# Altium PCB PonyProgFT.PcbDoc
Units mm, origin at the board's own origin, x right, y up, seen from the top; angles counter-clockwise.
Board outline 49.5 x 49.5 mm, 4 copper layers (L1_Top, L2_GND, L3_Power, L4_Bottom), stack 1.543 mm thick; 88 components, 68 nets, 308 pads, 119 vias.
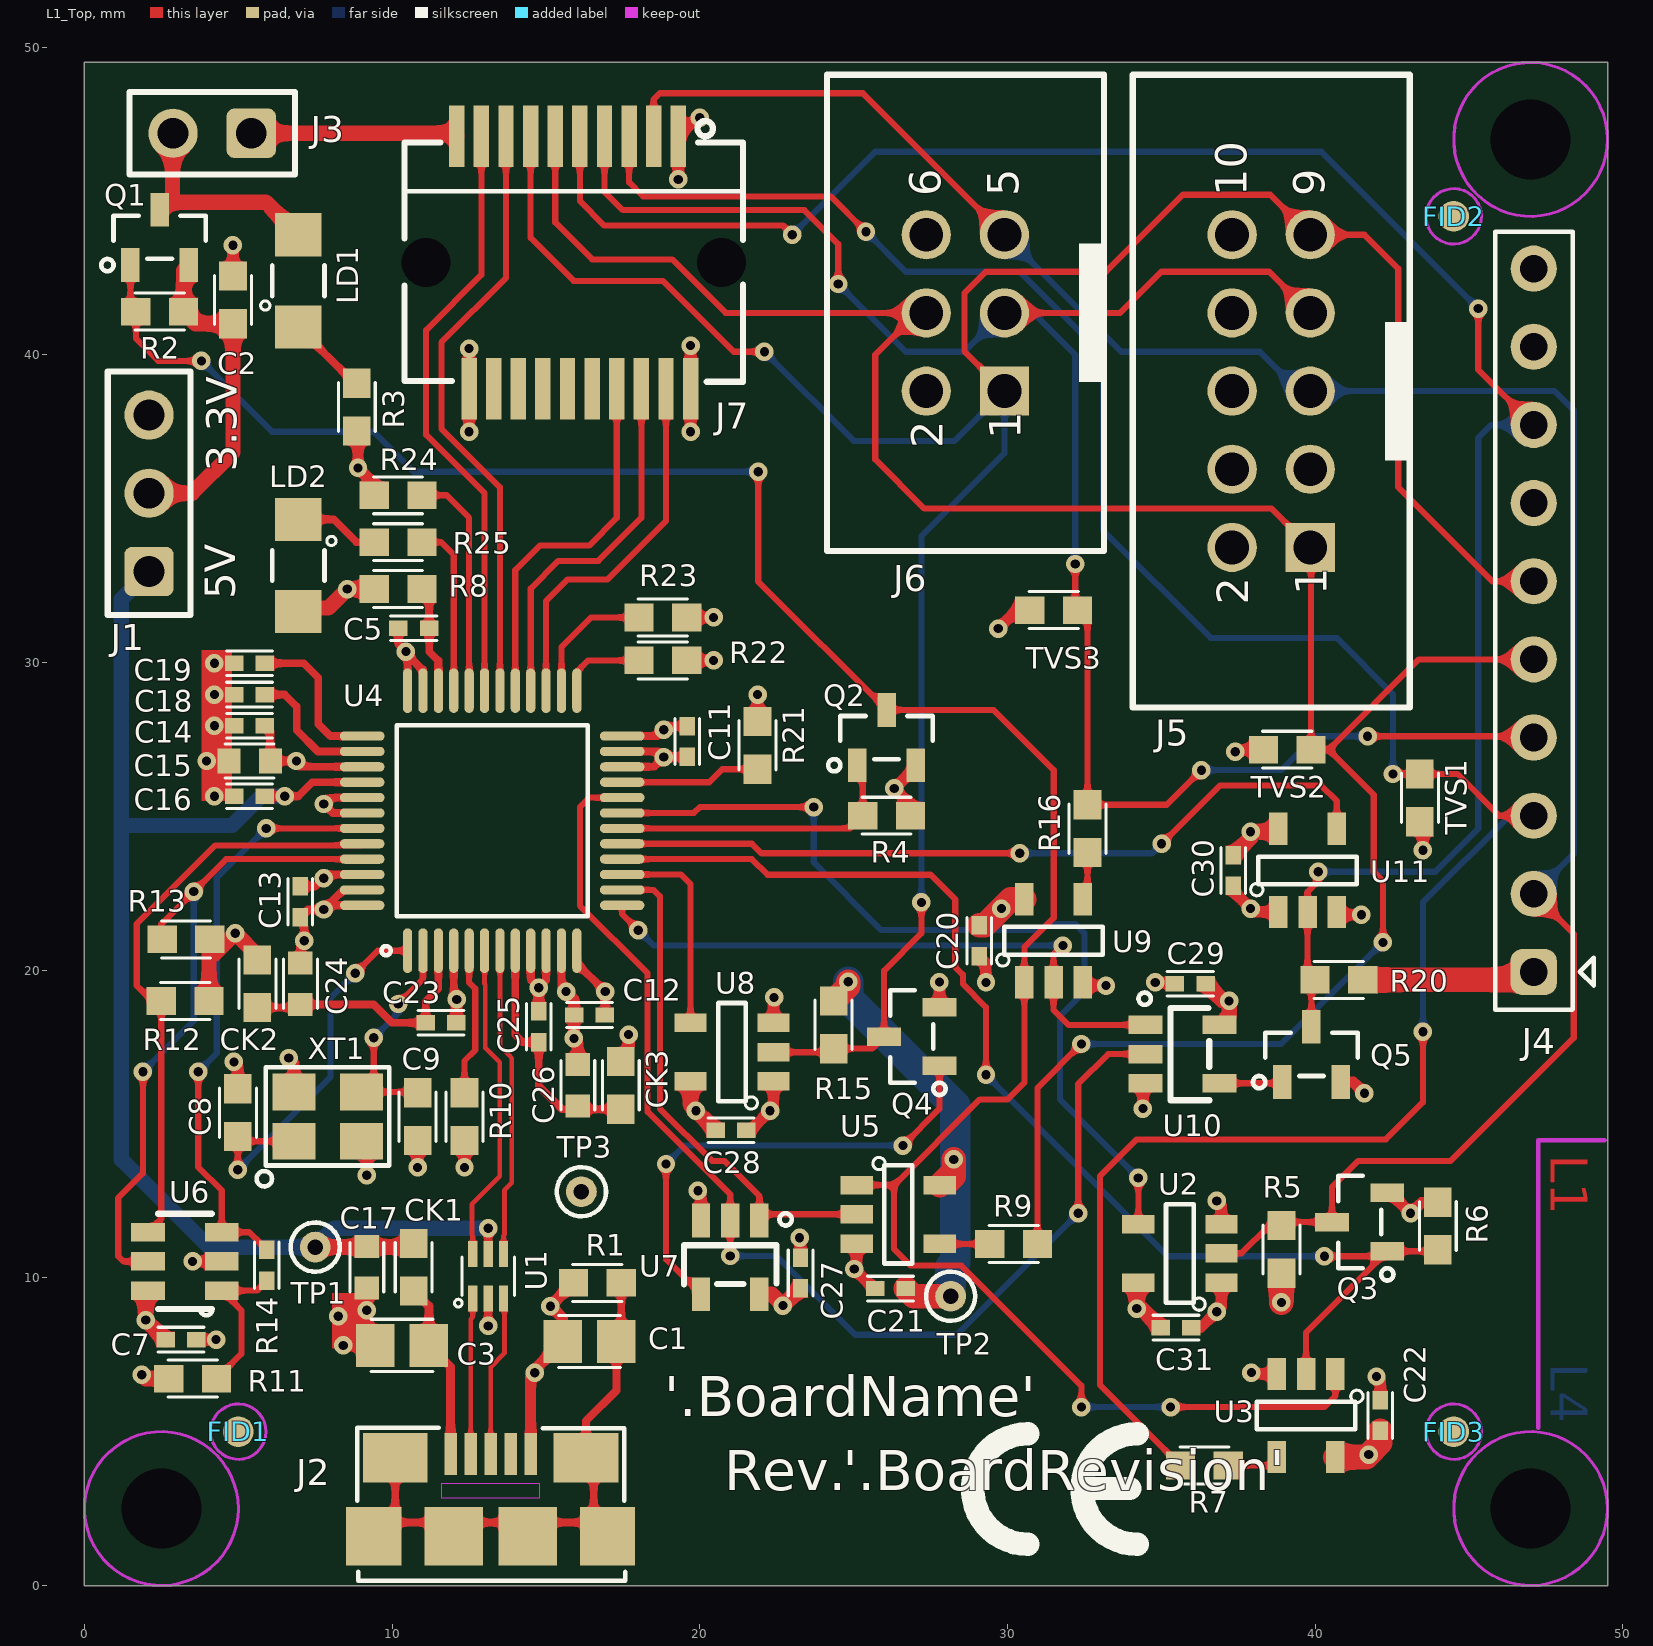
[diagram p0: L1_Top view]
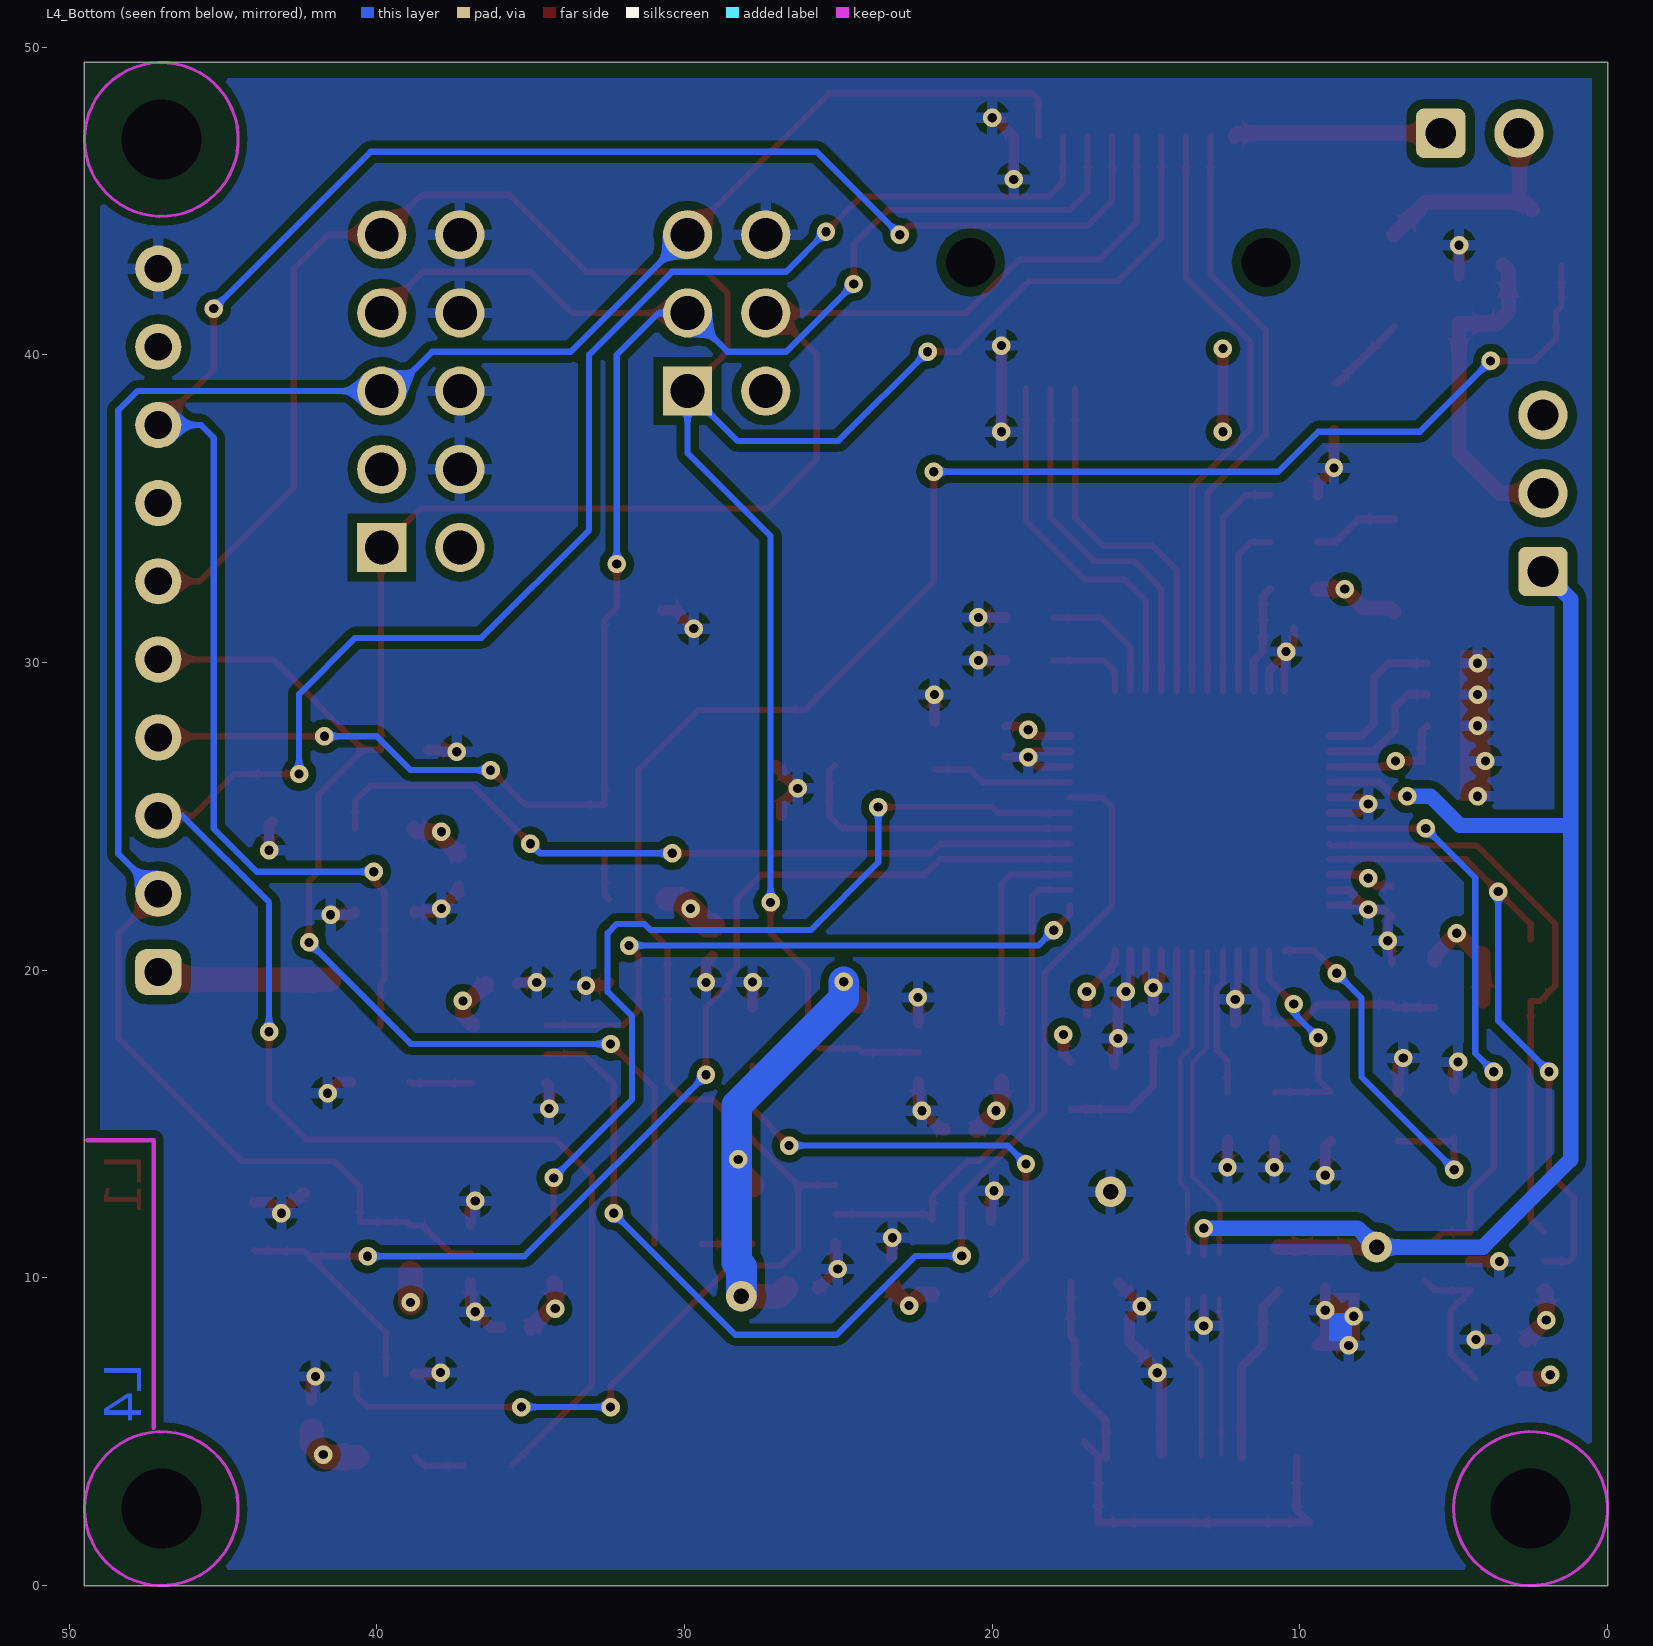
[diagram p1: L4_Bottom view, seen from below]
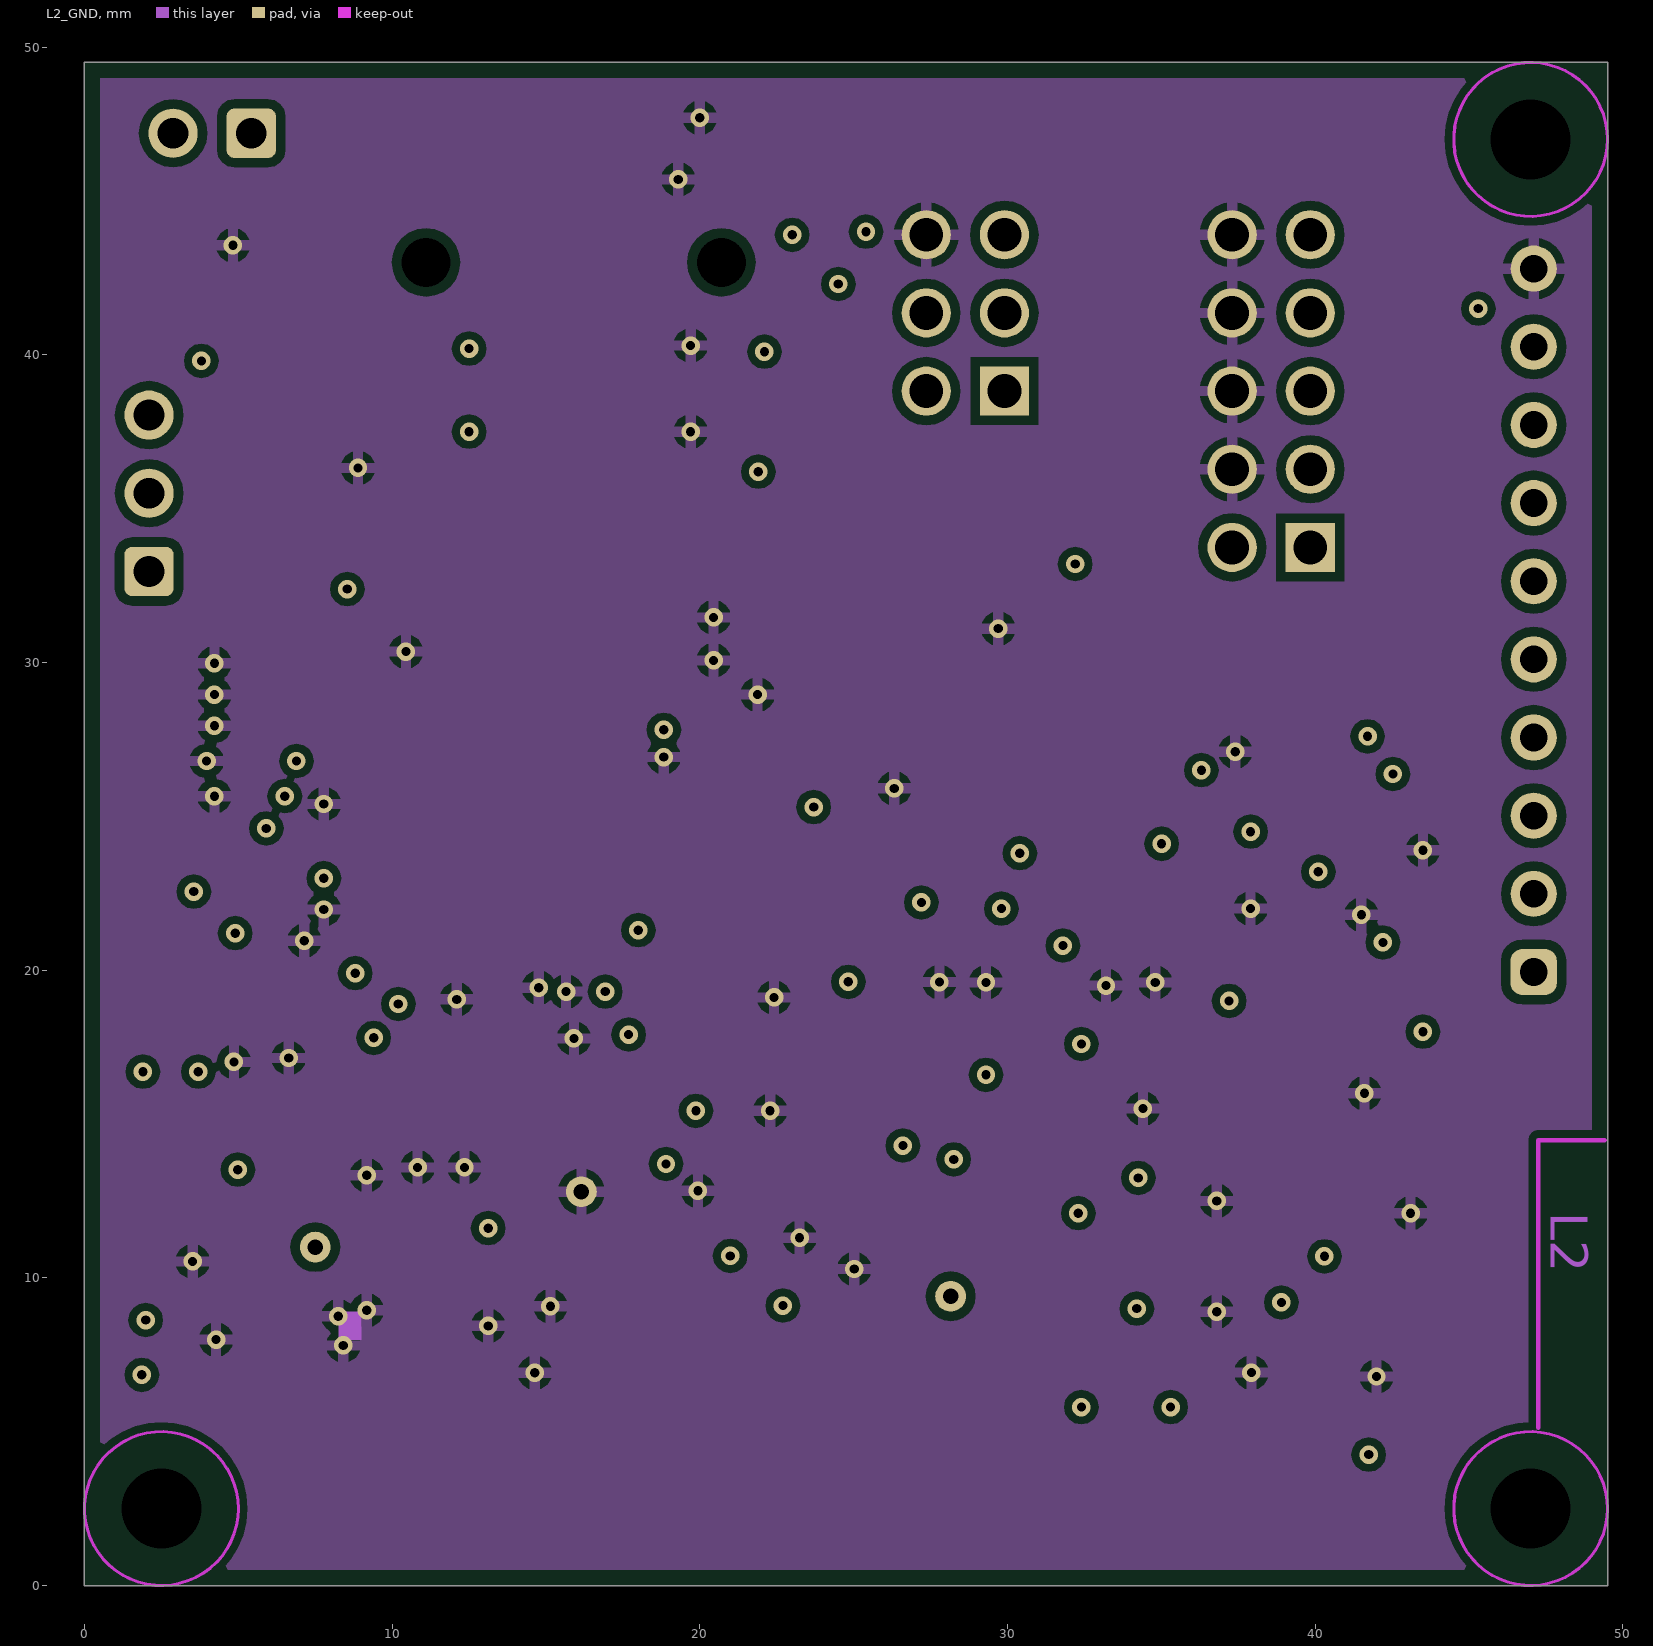
[diagram p2: L2_GND]
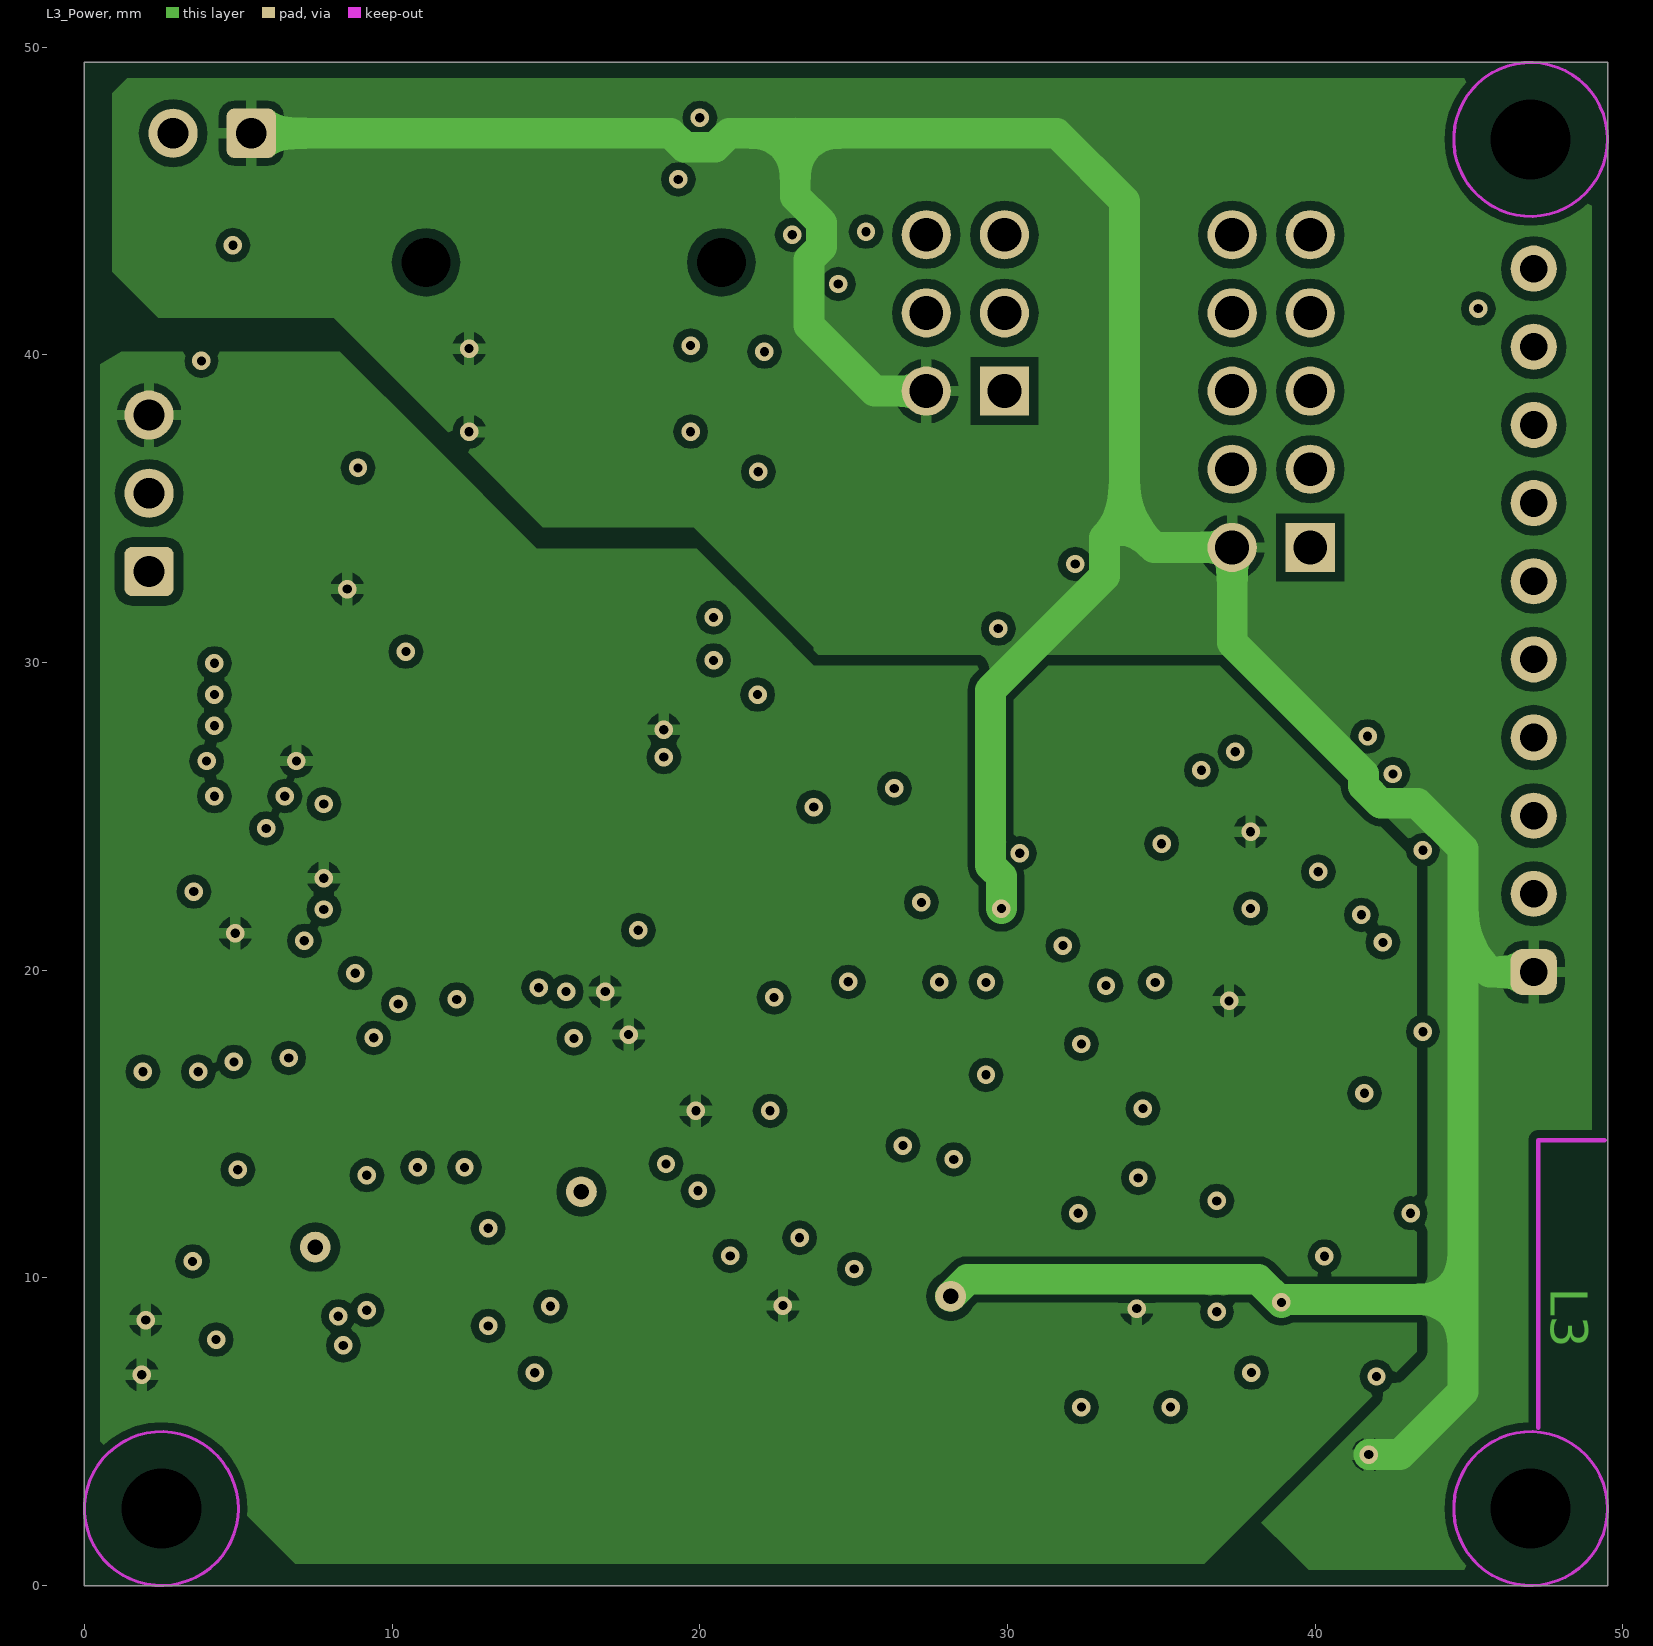
[diagram p3: L3_Power]
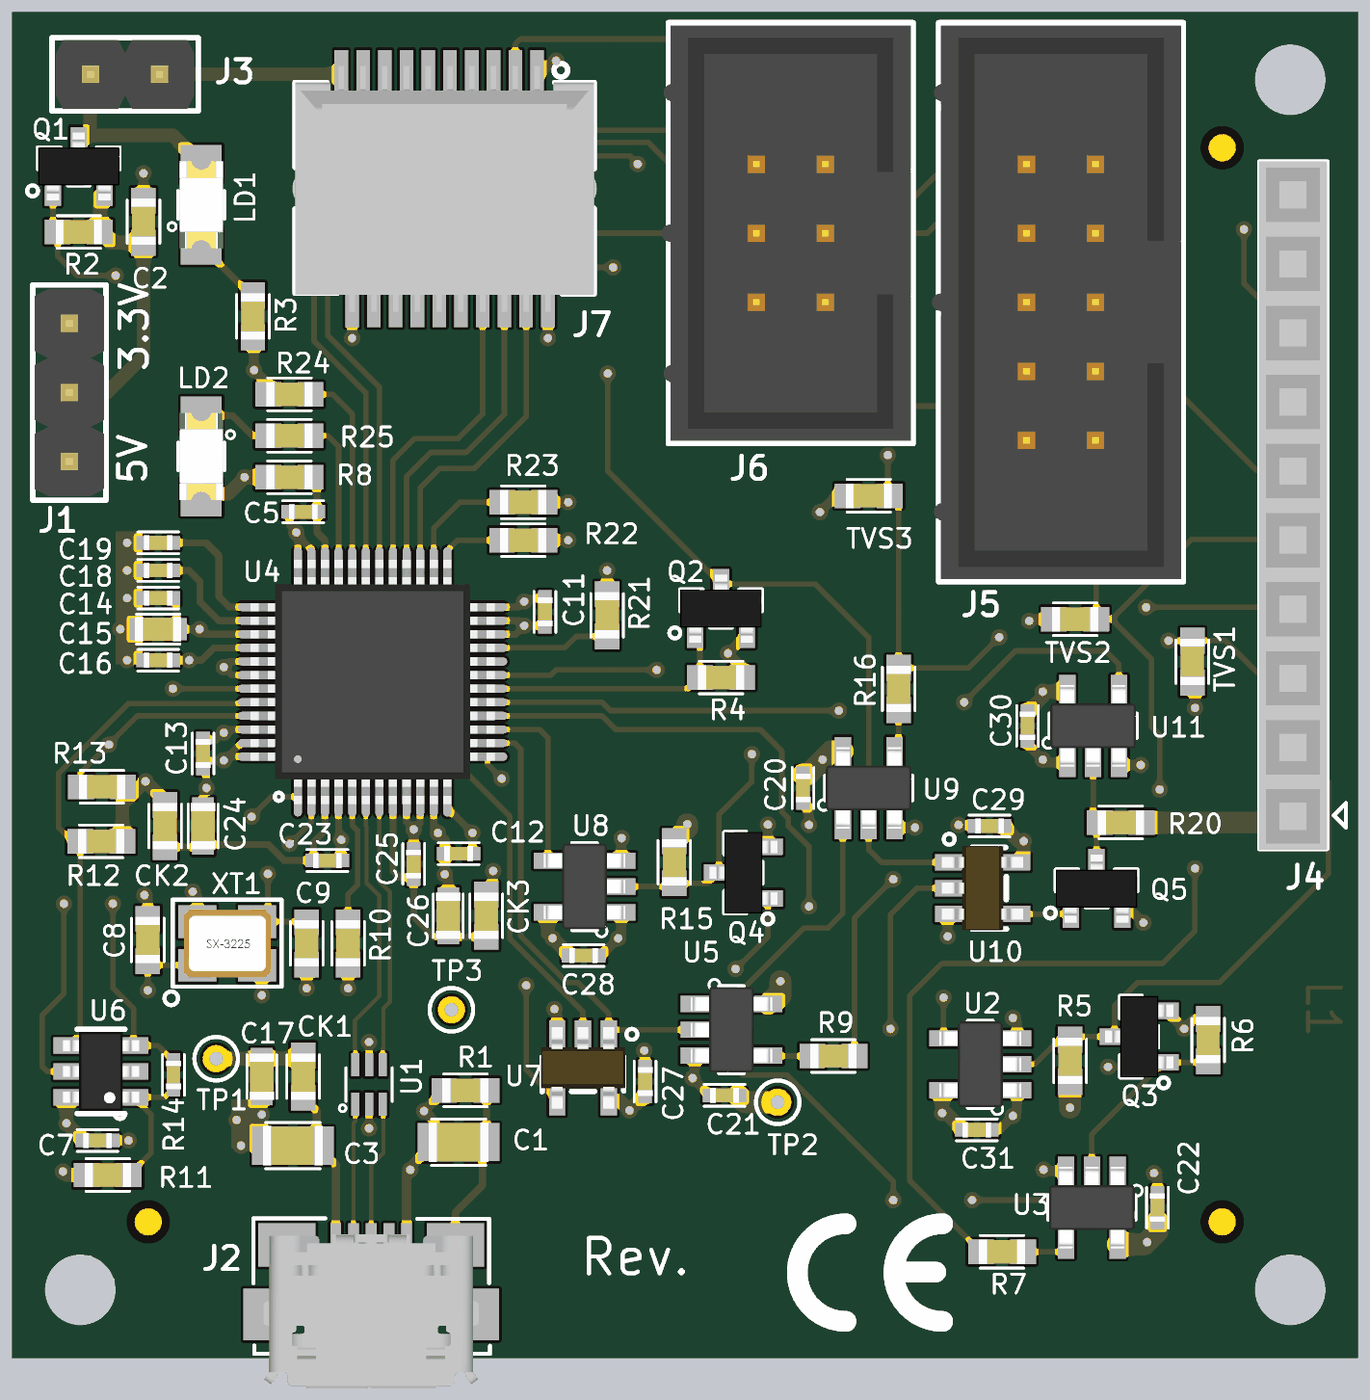
[diagram p4: 3D render of the assembled board from above, using the file's embedded part models]

## Layer stack, top to bottom
Top Solder: solder mask 0.0102, Solder Resist, Dk 3.5
L1_Top: signal copper 0.0356
Dielectric 1: core 0.2, FR-4, Dk 4.2
L2_GND: signal copper 0.036
Dielectric 3: prepreg 1, Dk 4.2
L3_Power: signal copper 0.036
Dielectric 2: core 0.2, Dk 4.2
L4_Bottom: signal copper 0.0356
Bottom Solder: solder mask 0.0102, Solder Resist, Dk 3.5

## Board outline
0,0 0,49.5 49.5,49.5 49.5,0

## Design rules (kind name [scope] priority, off if disabled: settings)
BoardOutlineClearance BoardOutlineClearance_Silk [OnLayer('Top Overlay')] p1: gap=0 ignorepadtopadclearanceinfootprint=FALSE
BoardOutlineClearance [All] p2: gap=0.5 ignorepadtopadclearanceinfootprint=FALSE
Clearance Clearance_Poly [All] p1: gap=0.152 ignorepadtopadclearanceinfootprint=FALSE except(0.25: Arc-Poly Track-Poly SMDPad-Poly Via-Poly Fill-Poly Poly-Region Poly-Text; 0.3: THPad-Poly; 0.35: Poly-Poly)
Clearance ClearALL [All] p2: gap=0.152 ignorepadtopadclearanceinfootprint=FALSE
DiffPairsRouting [All] p1: maxlimit=0.152 minlimit=0.152 mostfreqgap=0.152 toplayer_minwidth=0.152 toplayer_maxwidth=0.152 toplayer_prefwidth=0.152 midlayer1_minwidth=0.152 midlayer1_maxwidth=0.152 midlayer1_prefwidth=0.152 midlayer2_minwidth=0.152 midlayer2_maxwidth=0.152 midlayer2_prefwidth=0.152 bottomlayer_minwidth=0.152 bottomlayer_maxwidth=0.152 bottomlayer_prefwidth=0.152 maxuncoupledlength=12.7
HoleSize [All] p1: absolutevalues=TRUE maxlimit=3 minlimit=0.3 maxpercent=80.000 minpercent=20.000
HoleToHoleClearance [All] p1: gap=0.254 allowstackedmicrovias=FALSE
MinimumSolderMaskSliver [All] p1: minsoldermaskwidth=0.04
PolygonConnect [All] p1: connectstyle=Relief reliefconductorwidth=0.35 reliefentries=4 polygonreliefangle="90 Angle" airgapwidth=0.25
RoutingVias [All] p1: holewidth=0.3 width=0.6 viastyle="Through Hole" minholewidth=0.3 minwidth=0.6 maxholewidth=0.5 maxwidth=1
SilkToSilkClearance [All] p1: silktosilkclearance=0.1
SilkToSolderMaskClearance [IsPad] p1: minsilkscreentomaskgap=0.05 clearancetoexposedcopper=TRUE
SolderMaskExpansion [All] p1: expansion=0.102 istentingtop=FALSE
Width Width_Pwr [InNetClass('NETPWR')] p1: maxlimit=2 minlimit=0.2 preferedwidth=0.254
Width Width_All [All] p2: maxlimit=0.254 minlimit=0.152 preferedwidth=0.152
24 further rules are at their usual default settings.

## Classes and differential pairs
net class USB0: USB0_N USB0_P
net class NETPWR: GND NetC3_1 VCC3V3 VCCIN VCCOUT VCCUSB VPHY VPLL VTG
net class DIFF90: USB0_N USB0_P
differential pair USB0: +USB0_P -USB0_N
